# Allegro board BeagleBone_AI-64_Rev_B1_PCB_220602.brd (continued)
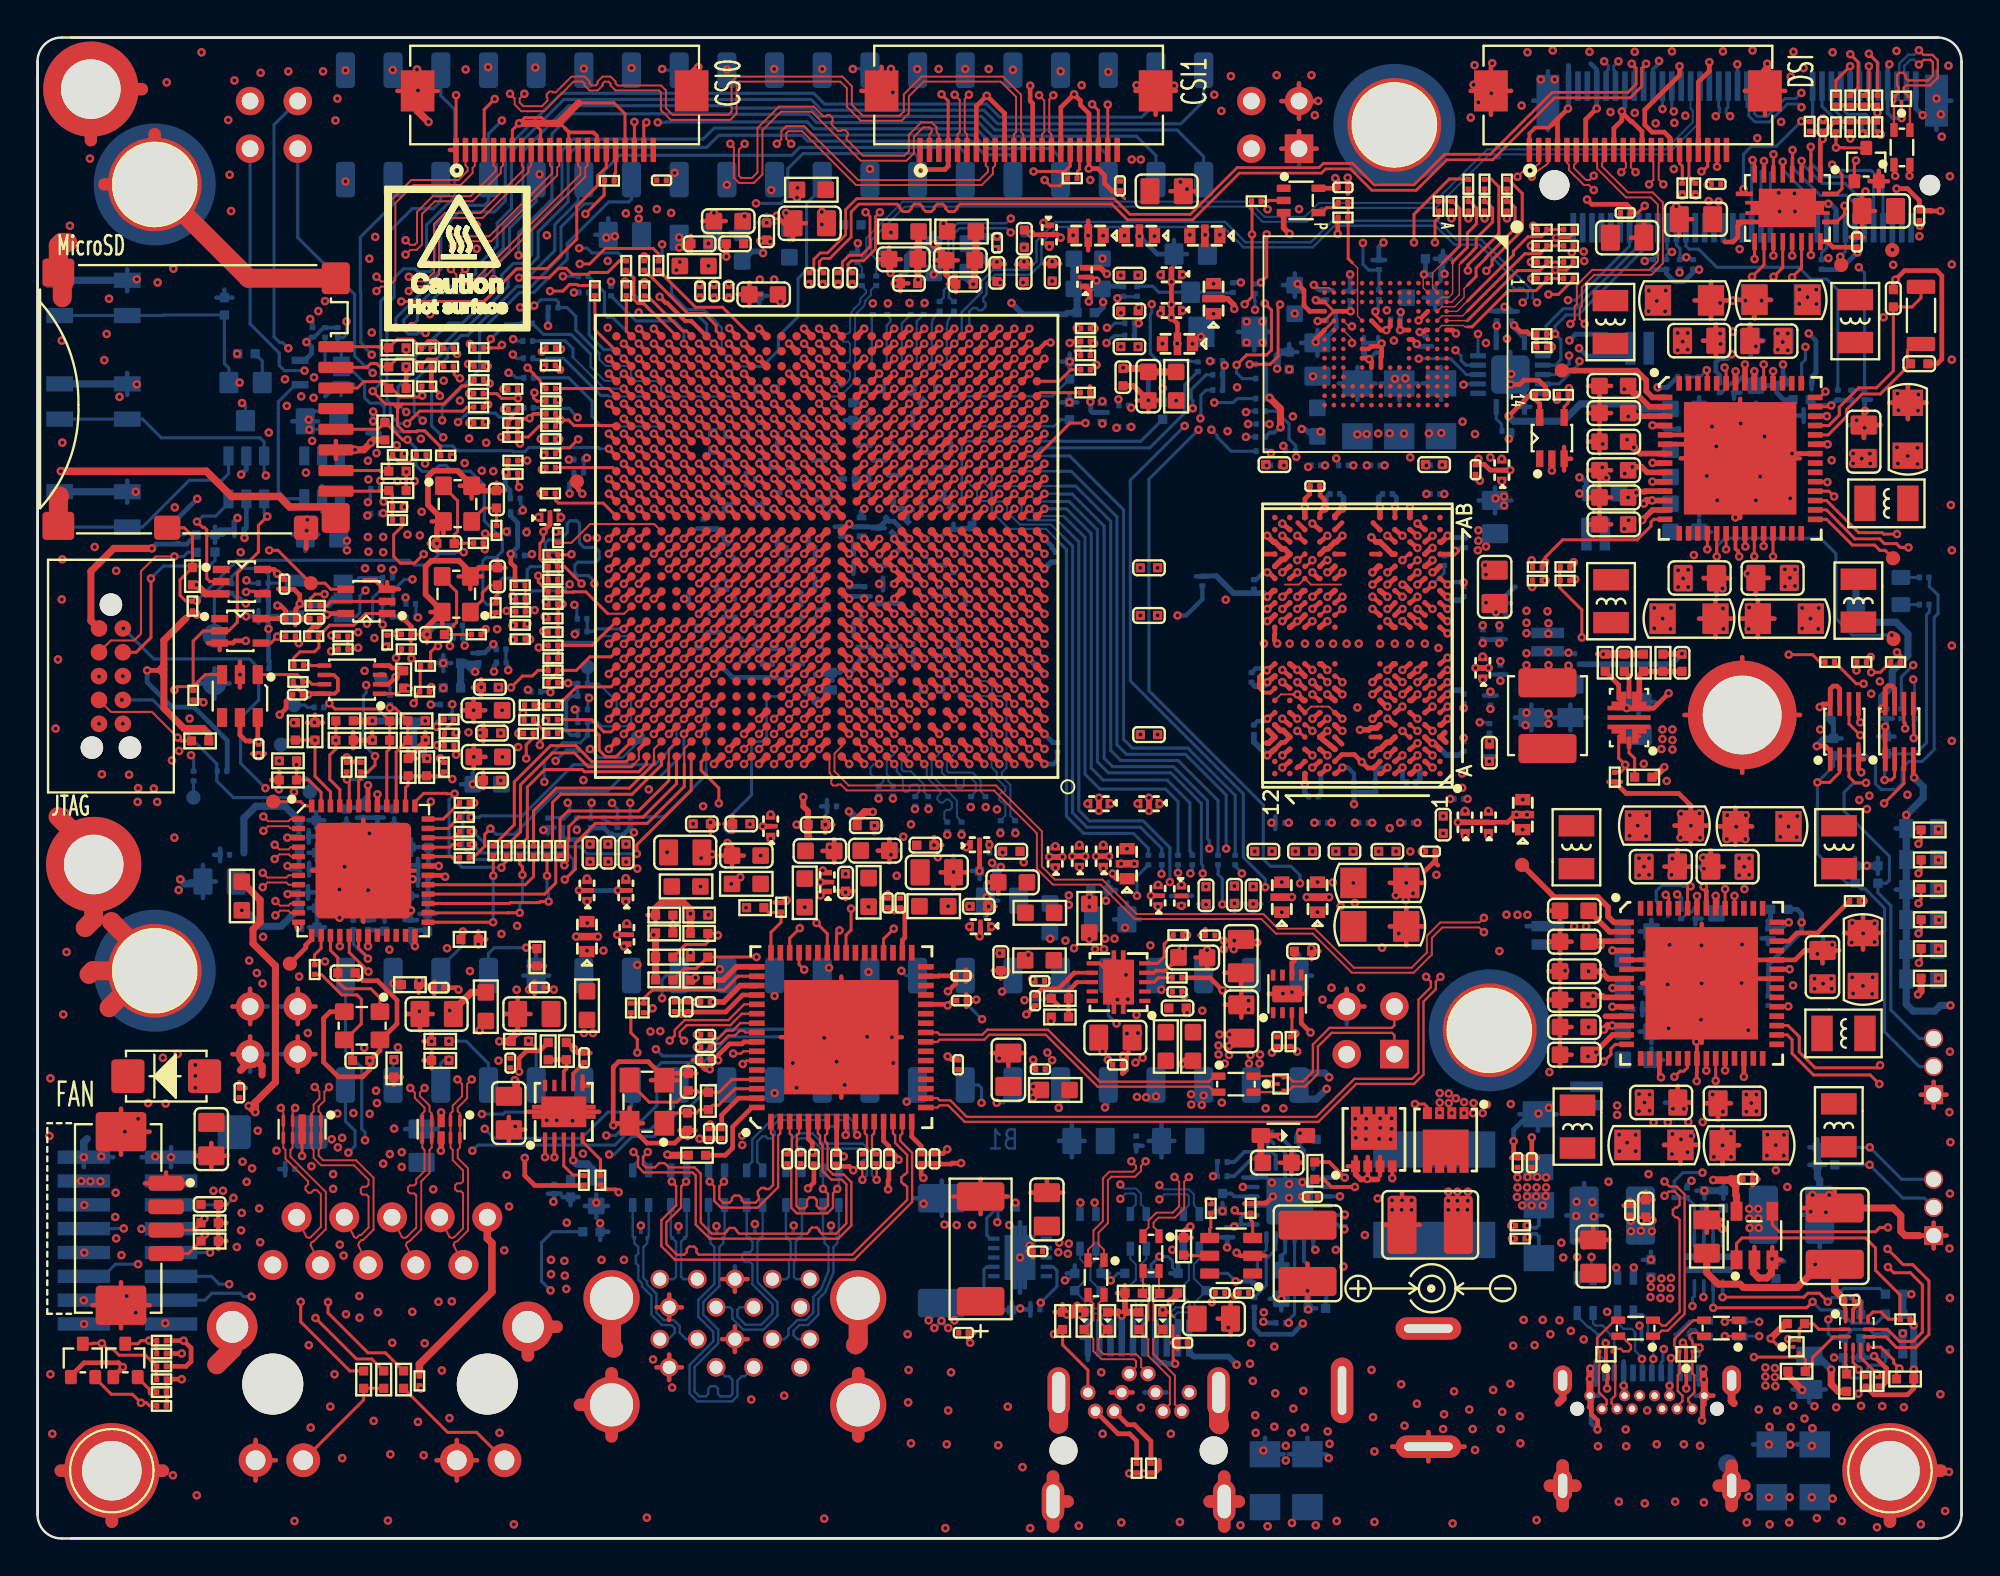
[diagram p0: board, top side]
## Routing (per net, layer and track width the routed paths; a pad name or vN(x,y) marks a point on that pad's centre or on a via; arc(x,y) is an arc through that point) (continued)
Y27_UART5_TXD: length 11.8
  TOP w0.229: U19.Y27 v1(32.03,57.28)
  L5-SIGNAL w0.102: v1(32.03,57.28) 31.62,57.7 31.04,57.7 30.47,57.14 29.99,57.14 29.66,56.81 28.27,56.81 27.73,57.34 26.62,57.34 26.29,57.01 25.88,57.01 25.3,57.59 23.79,57.59 23.61,57.76 22.67,57.76 22.53,57.62 v1(22.12,57.62)
Y28_LED_USR2: length 154.8
  TOP w0.165: R370.1 100.34,34.07 100.12,33.85 v1(100.2,33.85)
  TOP w0.229: U19.Y28 v1(31.23,57.28)
  L3-SIGNAL w0.102: v1(24.28,56.89) 24.61,57.22 25.43,57.22 26.12,56.53 27.15,56.53 27.33,56.71 29.46,56.71 30.04,57.28 v1(31.23,57.28)
  L5-SIGNAL w0.102: v1(100.2,33.85) 99.16,32.81 99.16,28.61 96.31,25.77 96.31,15.14 94.86,13.68 92.02,13.68 90.6,12.26 90.6,10.76 90.22,10.38 88.42,10.38 87.73,11.07 86.51,11.07 86.18,10.74 84.05,10.74 83.89,10.9 82.66,10.9 v1(82.37,10.61)
  L8-PWR/GND w0.127: v1(25.12,17.7) 22.71,20.11 22.71,23.18 20.27,25.62 20.27,26.86 20.88,27.47 20.88,28.87 20.85,28.9 20.85,31.79 19.4,33.24 19.4,43.3 20.48,44.38 20.48,46.13 20.61,46.26 20.61,47.4 21.17,47.96 21.19,47.96 21.66,48.42 21.66,50.16 23.42,51.92 23.42,55.41 23.77,55.77 23.81,55.77 24.28,56.24 24.28,56.47 v1(24.28,56.89)
  L12-SIGNAL w0.102: v1(82.37,10.61) 81.51,9.74 78.12,9.74 75.68,12.18 70.28,12.18 67.39,9.29 65.15,9.29 64.69,9.74 64.48,9.75 64.33,9.9 60.86,9.9 60.85,9.91 56.78,9.91 56.56,9.69 51.89,9.69 50.14,11.45 50.14,11.88 48.97,13.05 46.51,13.05 43.7,15.86 32.44,15.86 31.88,16.41 26.4,16.41 v1(25.12,17.7)
Y29_AJ20: length 42.9
  TOP w0.165: R256.2 27.04,57.08 26.92,56.96 v1(26.87,56.96) ; R284.2 33.08,68.48 32.8,68.76 30.23,68.76 29.41,67.94 v1(28.89,67.94)
  L3-SIGNAL w0.102: v1(20.42,58.61) 20.78,58.26 22.93,58.26 23.72,57.47 25.5,57.47 26.01,56.96 v1(26.87,56.96)
  L10-SIGNAL w0.102: v1(20.42,58.61) 20.11,58.92 20.11,61.7 20.71,62.3 20.71,63.61 21.33,64.23 21.33,66.95 20.72,67.56 v1(20.72,67.95)
  L12-SIGNAL w0.102: v1(20.72,67.95) 21.55,67.12 22.98,67.12 23.88,68.03 25.78,68.03 25.92,68.16 28.5,68.16 28.73,67.94 v1(28.89,67.94)
  BOTTOM w0.165: v1(20.72,67.95) 20.72,70.02 22.22,71.52 22.22,76.17 21.48,76.91 P8.38
Y29_UART5_RXD: length 3.3
  TOP w0.165: U19.Y29 30.64,57.08 R256.1
N23139394: length 5.3
  BOTTOM w0.165: R58.1 63.68,66.39 62.17,66.39 62.14,66.43 D7.3 59.73,66.43 59.41,66.75 58.58,66.75 R74.2
N23154805: length 12.6
  TOP w0.165: 25.99,48.7 26.06,48.76 v1(26.11,48.76)
  TOP w0.229: U19.H23 35.63,47.28 v1(35.23,46.88)
  L3-SIGNAL w0.102: v1(26.11,48.76) 27.4,48.76 28.04,49.39 28.75,49.39 29.03,49.68 34.6,49.68 34.83,49.44 34.83,47.45 35.23,47.05 v1(35.23,46.88)
N23154817: length 10.9
  TOP w0.165: R240.1 26.22,47.93 v1(26.24,47.92)
  TOP w0.229: 34.44,47.68 v1(34.43,47.68) 34.83,48.08 U19.J24
  L3-SIGNAL w0.102: v1(26.24,47.92) 27.15,47.92 28.34,49.11 28.95,49.11 29.28,49.45 33.55,49.45 34.03,48.97 34.03,48.09 v1(34.43,47.68)
N26386249: length 6.5
  TOP w0.165: U12.2 9.19,51 9.01,51.17 9.01,53.76 8.89,53.89 8.8,53.89 v1(8.49,54.19)
  BOTTOM w0.165: v1(8.49,54.19) 8.79,54.5 9.49,54.5 10.17,55.18 U8.6
N28594462: length 4.8
  TOP w0.165: 96.51,33.96 96.53,33.98 R362.2
  TOP w0.254: U29.40 93.3,31.84 93.73,32.27 94.83,32.27 96.51,33.96 96.51,33.98
N31293874: length 6.8
  TOP w0.165: 14.99,48.11 14.99,47.49 14.76,47.26 13.98,47.26 13.64,46.92 13.64,46.55 R172.2 ; 14.99,48.11 15.55,48.68 16.86,48.68 17.48,49.3 U16.1 ; 14.99,48.11 14.97,48.09 R173.2
N31698105: length 11.5
  TOP w0.203: Q2.4 v1(72.17,19.21)
  L5-SIGNAL w0.102: v1(72.17,19.21) 71.75,19.63 62.93,19.63 v1(62.62,19.31)
  BOTTOM w0.165: R61.2 62.83,19.31 ; R60.2 62.83,20.06
  BOTTOM w0.203: v1(62.62,19.31) 62.83,19.31 62.83,20.06
N31698113: length 2
  TOP w0.203: v1(79.4,16.07) 79.31,15.98 79.27,15.98
  BOTTOM w0.203: v1(79.4,16.07) 79.4,16.09 79.54,16.24 79.83,16.24 79.98,16.09 R35.1
N32406105: length 1.3
  TOP w0.165: R314.2 62.5,16.56 62.45,16.5 U22.4
N33582225: length 7
  TOP w0.165: R191.1 21.85,5.66 23.39,5.66 J9.11
N33582357: length 6.2
  TOP w0.165: R186.1 R183.1 17.37,7.39 J9.13
N33671782: length 0
  TOP w0.165: R368.2 101.27,37.77 v1(101.27,37.81)
N33671784:
  vias: v1(101.27,36.17)
N33671786: length 0
  TOP w0.165: v1(101.27,34.64) R370.2
N33671788: length 0
  TOP w0.165: R371.2 v1(101.29,32.98)
N33671790:
  vias: v1(101.27,29.86)
N33672000: length 0
  TOP w0.165: R372.2 101.27,31.43 v1(101.27,31.41)
N34010319: length 3.2
  BOTTOM w0.165: 87.88,18.14 87.19,18.14 R26.1 ; 87.88,18.14 88.27,17.76 U1.9 ; 87.88,18.14 87.86,18.16 R21.2
N34590391: length 1.7
  BOTTOM w0.165: Q1.2 11.97,62.76 R157.2
N34695237: length 1.8
  TOP w0.165: R349.2 87.62,73.15 87.47,73.3 J16.17
N34695277: length 1.9
  TOP w0.165: 88.29,72.26 87.97,72.58 J16.18 ; 88.29,72.26 88.31,72.26 ; 88.29,72.26 88.31,72.24 R351.2
N34695383: length 1.7
  TOP w0.165: R279.2 30.74,72.37 30.74,72.74 30.8,72.79 J13.18
N34701786: length 1.3
  TOP w0.165: U24.4 68.42,70.67 68.68,70.93 69.01,70.93 69.26,71.19 R319.1
N34701949: length 1.2
  TOP w0.165: U24.2 65.59,71.32 65.56,71.28 R316.2
N34747984: length 6.4
  TOP w0.165: R357.1 94.41,75.54 v1(93.96,75.54) ; v1(90.88,71.92) 90.92,71.88 U32.10
  BOTTOM w0.165: v1(90.88,71.92) 90.88,73.78 91.31,74.21 92.63,74.21 v1(93.96,75.54)
N35300913: length 1.1
  TOP w0.165: U14.5 14.57,46.53 14.55,46.55 R172.1
N35690331: length 1.6
  TOP w0.165: J15.18 55.51,72.98 55.4,72.86 55.4,72.5 R300.2
N36080869: length 1.4
  BOTTOM w0.165: U2.8 77.71,59.67 78,59.39 78,59.03 R36.2
N37161279: length 1.5
  TOP w0.165: R306.2 96.38,9.22 96.32,9.28 U21.3
N37161524: length 1.9
  TOP w0.165: U21.5 97.12,9.65 v1(97.99,8.78) 98.03,8.78 98.08,8.73
N37181608: length 15
  TOP w0.165: 99.21,11.69 99.21,13 97.91,14.29 97.91,15.49 97.38,16.02 90.8,16.02 90.51,15.73 U34.1 ; 99.21,11.69 R381.2 ; 99.21,11.69 98.59,11.69 98.2,12.07 97.78,12.07 97.52,11.81 U21.9
N37556084: length 4.3
  TOP w0.165: U29.51 87.9,34.61 v1(88.06,34.76)
  BOTTOM w0.165: R395.2 86.33,33.52 86.33,33.88 86.23,33.98 86.23,34.51 86.54,34.81 87.58,34.81 87.63,34.76 v1(88.06,34.76)
N37556587: length 7.7
  TOP w0.165: v1(89.88,62.41) 89.95,62.33 U30.51
  L3-SIGNAL w0.102: v1(94.18,63.52) 93.62,62.96 90.68,62.96 90.4,62.68 90.14,62.68 v1(89.88,62.41)
  BOTTOM w0.165: R396.2 93.98,61.59 93.98,62.63 94.18,62.83 v1(94.18,63.52)
N37616619: length 1.2
  BOTTOM w0.165: R45.2 68.66,13.38
  BOTTOM w0.203: 68.66,13.38 68.66,12.78 68.62,12.73 C88.1
N37681507: length 1
  BOTTOM w0.165: R397.1 D50.2
N37681630: length 1
  BOTTOM w0.165: R398.1 D51.2

## Copper pours and planes (outline as drawn; the poured copper is in the pictures)
2V5/3V3 on TOP: 58.75,29.25 60.48,29.25 60.55,29.18 60.55,28.03 60.7,27.88 61.87,27.88 62.08,27.68 62.08,26.89 61.82,26.64 59.97,26.64 58.72,27.88 58.72,28.69 58.77,28.74 59.31,28.74 59.33,28.77 59.33,29.02 59.31,29.05 58.75,29.05 58.7,29.1 58.7,29.2
GND on L3-SIGNAL (solid shape): 3.27,53.52 3.27,52.42 2.55,51.69 2.49,51.72 2.49,52.82 3.21,53.55
GND on L3-SIGNAL (solid shape): 13.43,70.4 13.37,70.36 13.35,70.34 5.7,62.69 5.63,62.59 5.61,62.47 5.61,61.66 4.31,60.36 4.28,60.33 4.19,60.36 4.19,61.33 13.33,70.48 13.43,70.48
GND on L3-SIGNAL (solid shape): 70.64,71.74 70.61,71.68 67.99,71.68 67.67,72.01 67.65,72.02 67.68,72.11 68.85,72.11 68.88,72.17 68.99,72.21 69,72.21 69.07,72.18 69.14,72.18 69.37,72.27 69.47,72.5 69.47,72.55 69.83,72.55
GND on L3-SIGNAL (solid shape): 81.93,55.44 82.01,55.39 82.11,55.36 82.15,55.36 82.15,53.8 82.18,53.66 82.26,53.55 83.46,52.35 83.46,46.39 83.35,46.28 83.29,46.34 83.31,46.41 83.31,46.45 83.31,52.09 83.28,52.22 83.21,52.34 81.76,53.78 81.76,55.4 81.9,55.46
GND on L3-SIGNAL (solid shape): 4.28,52.96 4.31,52.93 5.25,51.99 5.25,51.88 4.66,51.29 4.59,51.19 4.57,51.07 4.57,50.51 4.59,50.39 4.66,50.29 4.93,50.02 4.8,49.89 4.66,49.93 4.65,49.96 4.38,50.38 3.91,50.54 3.69,50.5 3.48,50.41 3.46,50.39 3.33,50.46 3.33,51.17 4.1,51.95 4.17,52.05 4.19,52.16 4.19,52.93
GND on L3-SIGNAL (solid shape): 5.4,58.25 5.43,58.22 5.7,57.95 5.43,57.68 5.36,57.58 5.34,57.46 5.34,57 5.36,56.88 5.43,56.78 5.7,56.51 5.43,56.24 5.36,56.14 5.34,56.02 5.34,55.4 5.36,55.28 5.43,55.18 5.7,54.91 5.43,54.64 5.36,54.54 5.34,54.42 5.34,53.8 5.36,53.68 5.43,53.58 5.87,53.14 5.87,53.02 5.83,52.97 5.79,52.9 5.66,52.88 5.13,53.4 5.13,57.93 5.19,57.99 5.26,58.09 5.28,58.21 5.28,58.31 5.36,58.31
GND on L3-SIGNAL (solid shape): 10.99,49.53 11.04,49.51 11.1,49.51 11.18,49.52 11.27,49.44 11.27,47.36 11.3,47.25 11.36,47.15 11.98,46.53 12.08,46.46 12.2,46.44 12.59,46.44 12.59,46.05 12.61,45.93 12.68,45.83 13.34,45.17 13.44,45.1 13.56,45.08 13.99,45.08 14.07,45 14.07,44.97 14.09,44.86 14.15,44.76 14.17,44.74 14.1,44.6 13.71,44.6 10.69,47.61 11.07,47.98 11.14,48.08 11.16,48.2 11.16,48.6 11.14,48.71 11.07,48.81 10.76,49.13 10.72,49.16 10.71,49.28 10.88,49.45 10.91,49.48 10.93,49.51
GND on L3-SIGNAL (solid shape): 61.48,65.98 61.48,65.63 61.44,65.59 61.31,65.61 61.3,65.63 61.17,65.74 61.01,65.78 60.78,65.69 60.68,65.45 60.74,65.27 60.89,65.15 60.9,65.14 60.94,65.1 60.89,65.04 60.19,65.04 60.12,65.15 60.12,65.18 60.14,65.24 60.15,65.29 60.05,65.53 59.81,65.63 59.77,65.62 59.68,65.72 59.69,65.83 59.68,65.89 59.76,65.99 61.14,65.99 61.24,66 61.32,66.04 61.35,66.05
GND on L3-SIGNAL (solid shape): 52.46,52.45 52.49,52.32 52.57,52.22 52.65,52.14 52.64,52.01 52.62,52 52.57,51.96 52.53,51.91 52.51,51.89 52.39,51.88 52.31,51.95 52.19,52.04 52.04,52.07 51.78,51.97 51.66,51.73 51.65,51.71 51.55,51.64 51.45,51.66 51.4,51.66 51.22,51.66 50.93,51.95 50.81,52.03 50.67,52.07 50.62,52.1 50.65,52.16 50.68,52.18 50.71,52.21 50.79,52.29 50.91,52.28 50.93,52.26 51.06,52.14 51.24,52.1 51.47,52.1 51.62,52.13 51.75,52.21 52.03,52.5 52.46,52.5
GND on L3-SIGNAL (solid shape): 34.93,50.97 34.92,50.89 35.02,50.66 35.25,50.56 35.29,50.57 35.36,50.58 35.41,50.54 35.41,50.48 35.31,50.4 35.23,50.41 35,50.32 34.9,50.08 34.9,50.06 34.78,49.98 34.76,49.99 34.68,50.02 34.6,50.03 33.16,50.03 33.16,50.08 32.83,50.41 32.5,50.08 32.5,50.03 32.39,50.03 32.39,50.08 32.36,50.22 32.29,50.33 31.87,50.75 31.76,50.82 31.62,50.85 31.57,50.85 31.56,50.93 31.55,50.99 31.63,51.1 34.8,51.1
GND on L3-SIGNAL (solid shape): 55.98,61.6 56.09,61.56 56.2,61.55 57.17,61.55 57.23,61.39 57.18,61.34 56.92,61.09 56.88,61.04 56.85,60.98 56.79,60.95 56.76,60.95 56.72,60.95 56.49,60.86 56.39,60.62 56.39,60.58 56.41,60.52 56.33,60.42 54.05,60.42 53.97,60.49 53.97,60.51 53.86,60.73 53.64,60.82 53.41,60.72 53.31,60.49 53.31,60.42 53.17,60.42 53.17,60.49 53.09,60.7 52.9,60.81 52.87,60.82 52.82,60.96 52.89,61.03 53.43,61.03 53.58,60.94 53.74,60.91 53.93,60.95 54.09,61.06 54.64,61.6
GND on L3-SIGNAL (solid shape): 57.41,72.5 57.53,72.42 57.67,72.4 61.6,72.4 62.79,71.21 62.91,71.13 63.05,71.1 65.15,71.1 65.23,70.99 65.22,70.96 65.2,70.9 65.2,70.84 65.2,70.82 65.12,70.74 61.34,70.74 60.15,71.93 60.03,72.01 59.89,72.04 56.39,72.04 56.32,72.18 56.34,72.2 56.39,72.3 56.41,72.41 56.08,72.74 55.75,72.41 55.77,72.3 55.82,72.2 55.84,72.18 55.77,72.04 53.96,72.04 53.89,72.18 53.91,72.2 53.96,72.3 53.98,72.41 53.88,72.64 53.65,72.74 53.59,72.73 53.53,72.71 53.5,72.7 53.38,72.79 53.38,72.94 53.46,73.03 56.88,73.03
GND on L3-SIGNAL (solid shape): 31.29,78.38 31.64,78.02 32,78.38 32,78.5 32.87,78.5 32.95,78.41 32.94,78.32 33.27,77.99 33.6,78.32 33.59,78.41 33.67,78.5 36.33,78.5 36.41,78.4 36.4,78.34 36.4,78.3 36.73,77.97 37.06,78.3 37.05,78.34 37.04,78.4 37.12,78.5 38.2,78.5 38.23,78.44 36.97,77.18 28.7,77.18 28.65,77.18 28.59,77.33 29.35,78.1 29.43,78.21 29.46,78.35 29.45,78.41 29.53,78.5 31.29,78.5
GND on L3-SIGNAL (solid shape): 68.49,49.25 68.55,49.26 68.63,49.22 68.71,49.21 68.8,49.22 69.03,48.99 69.09,48.95 69.15,48.94 69.36,48.94 69.61,48.68 69.61,48 69.59,47.99 69.46,47.87 69.41,47.69 69.45,47.53 69.57,47.41 69.57,46.73 68.8,45.96 68.71,45.97 68.62,45.96 68.54,45.92 68.48,45.93 68.46,45.98 68.47,46.01 68.47,46.04 68.47,46.5 68.73,46.76 68.77,46.81 68.78,46.88 68.78,47.39 68.77,47.45 68.73,47.51 68.63,47.61 68.63,47.78 68.89,48.04 68.93,48.1 68.94,48.16 68.94,48.4 68.93,48.46 68.89,48.52 68.78,48.63 68.72,48.66 68.66,48.68 68.6,48.68 68.49,48.78 68.49,49.13 68.49,49.16 68.48,49.19
GND on L3-SIGNAL (solid shape): 8.15,49.22 8.15,49.19 8.27,48.99 8.48,48.91 8.52,48.91 8.61,48.83 8.61,48.52 8.63,48.4 8.7,48.31 9.12,47.88 9.22,47.82 9.34,47.79 9.72,47.79 9.72,47.41 9.75,47.29 9.81,47.19 13.24,43.77 13.26,43.74 13.31,43.71 13.34,43.62 13.33,43.6 13.31,43.54 13.31,43.48 13.31,43.45 13.28,43.4 13.22,43.41 13.2,43.44 10.4,46.23 10.3,46.3 10.18,46.32 9.8,46.32 9.8,46.71 9.78,46.82 9.71,46.92 9.15,47.48 9.05,47.54 8.94,47.57 8.5,47.57 8.5,47.9 8.48,48.02 8.41,48.12 8.17,48.36 8.17,48.49 8.14,48.61 8.08,48.71 7.91,48.87 7.81,48.94 7.69,48.96 7.57,48.96 7.54,48.99 7.54,49.13 7.74,49.13 7.86,49.16 7.96,49.22 8,49.27
GND on L3-SIGNAL (solid shape): 25.1,64.75 25.11,64.74 25.08,64.66 21.24,64.66 21.1,64.63 20.99,64.55 20.92,64.48 20.88,64.51 20.78,64.56 20.67,64.58 20.44,64.49 20.34,64.25 20.36,64.14 20.42,64.04 20.45,64.01 19.64,63.2 19.48,63.2 19.35,63.17 19.23,63.1 19.2,63.06 18.14,63.06 18.13,63.11 18.1,63.24 18.03,63.34 18,63.36 18.06,63.52 18.92,63.52 19.06,63.54 19.17,63.62 19.71,64.15 19.75,64.21 19.79,64.27 19.85,64.3 19.89,64.29 19.94,64.29 20.17,64.39 20.27,64.62 20.26,64.67 20.25,64.71 20.28,64.74 20.57,65.02 20.68,65.03 20.69,65.01 20.8,64.95 20.91,64.93 21.15,65.02 21.25,65.26 21.24,65.3 21.23,65.37 21.31,65.47 24.38,65.47
GND on L3-SIGNAL (solid shape): 14.01,65.69 14.11,65.62 14.23,65.6 14.56,65.6 14.64,65.5 14.63,65.42 14.72,65.19 14.96,65.09 15,65.09 15.06,64.94 14.95,64.83 13.42,64.83 13.3,64.8 13.2,64.74 11.16,62.69 11.09,62.59 11.07,62.48 11.07,61.97 10.95,61.89 10.92,61.9 10.85,61.93 10.77,61.94 10.71,61.94 10.66,61.93 10.63,61.92 10.52,62.01 10.53,62.09 10.53,62.73 10.61,62.81 10.63,62.81 10.87,62.91 10.96,63.14 10.96,63.18 10.95,63.25 11.05,63.35 11.13,63.34 11.53,63.34 11.65,63.36 11.74,63.43 12.07,63.75 12.14,63.85 12.16,63.97 12.16,64.35 12.55,64.35 12.66,64.38 12.76,64.44 13.09,64.77 13.15,64.87 13.18,64.99 13.18,65.38 13.17,65.43 13.15,65.5 13.23,65.61 13.32,65.61 13.44,65.64 13.54,65.7 13.71,65.87 13.83,65.88
GND on L3-SIGNAL (solid shape): 73.73,49.25 73.75,49.21 73.75,49.19 73.75,48.99 73.76,48.92 73.8,48.87 74.26,48.41 74.26,48.28 73.99,48.02 73.91,48.03 73.58,47.69 73.91,47.36 73.99,47.37 74.04,47.33 74.04,46.65 73.79,46.4 73.75,46.35 73.74,46.29 73.74,46.05 73.74,46.02 73.75,45.99 73.74,45.93 73.68,45.93 73.6,45.96 73.51,45.97 73.43,45.96 73.29,46.1 73.29,46.47 73.27,46.54 73.24,46.59 72.98,46.85 72.98,47.32 73.03,47.37 73.12,47.36 73.45,47.69 73.12,48.03 73.03,48.02 72.99,48.06 72.93,48.1 72.87,48.11 72.85,48.11 72.79,48.16 72.79,48.25 73.27,48.72 73.31,48.78 73.32,48.84 73.32,49.12 73.43,49.22 73.51,49.21 73.6,49.22 73.68,49.26
GND on L3-SIGNAL (solid shape): 50.77,50.91 50.79,50.96 50.85,50.96 50.88,50.94 50.91,50.92 50.91,50.88 51.01,50.65 51.24,50.55 51.29,50.55 51.32,50.5 51.36,50.44 51.6,50.21 51.65,50.16 51.71,50.13 51.71,50.08 51.81,49.85 52.04,49.75 52.08,49.75 52.11,49.69 52.16,49.63 52.38,49.41 52.44,49.36 52.51,49.32 52.51,49.29 52.51,49.24 51.57,49.24 51.57,49.29 51.47,49.52 51.24,49.61 51.01,49.52 50.91,49.28 50.91,49.24 50.92,49.19 50.88,49.17 50.84,49.13 50.78,49.13 50.76,49.18 50.77,49.23 50.77,49.28 50.68,49.51 50.44,49.61 50.4,49.66 50.4,49.7 50.77,50.08 50.4,50.46 50.4,50.5 50.44,50.55 50.68,50.65 50.77,50.88
GND on L3-SIGNAL (solid shape): 87.75,53.66 86.47,52.38 86.4,52.26 86.37,52.12 86.37,50.41 86.4,50.28 86.47,50.16 86.76,49.87 86.76,49.81 86.71,49.71 86.69,49.6 86.69,49.54 86.7,49.49 86.71,49.47 86.63,49.36 86.52,49.36 86.43,49.47 86.44,49.49 86.46,49.55 86.46,49.6 85.9,49.83 86.13,49.27 86.18,49.27 86.26,49.16 86.26,49.13 86.24,49.08 86.24,49.03 86.24,48.99 86.25,48.93 86.17,48.83 86.13,48.84 85.9,48.27 86.46,48.51 86.46,48.54 86.45,48.6 86.53,48.7 86.6,48.7 86.68,48.6 86.67,48.53 86.66,48.48 86.68,48.37 86.74,48.27 86.73,48.2 85.88,47.35 85.8,47.23 85.77,47.09 85.77,45.25 83.6,43.08 83.54,43.11 83.54,43.46 85.54,45.46 85.62,45.58 85.65,45.71 85.65,51.79 87.58,53.71 87.62,53.77 87.66,53.84 87.67,53.87 87.75,53.87
GND on L3-SIGNAL (solid shape): 66.82,63.7 66.82,62.72 66.74,62.64 66.68,62.65 66.35,62.31 66.68,61.98 66.74,61.99 66.82,61.91 66.82,61.81 66.85,61.68 66.93,61.56 68.99,59.51 69.1,59.43 69.24,59.4 69.53,59.4 69.56,59.34 69.19,58.97 68.68,58.97 68.68,59.02 68.35,59.33 68.02,59.02 68.02,58.97 67.75,58.97 67.67,59.06 67.68,59.14 67.58,59.37 67.35,59.47 67.24,59.45 67.14,59.39 67.1,59.36 67.01,59.46 67.06,59.5 67.18,59.63 67.23,59.81 67.21,59.94 67.13,60.06 66.62,60.57 66.5,60.65 66.37,60.67 66.21,60.67 66.13,60.76 66.13,60.8 66.13,61.46 66.09,61.65 65.98,61.81 65.55,62.24 65.39,62.35 65.2,62.39 64.97,62.39 64.89,62.49 64.9,62.55 64.9,62.58 64.8,62.82 64.57,62.91 64.41,62.88 64.3,62.77 64.28,62.75 64.15,62.74 64.13,62.76 64.02,62.85 63.88,62.88 63.78,62.87 63.7,62.83 63.63,62.84 63.46,62.97 63.24,63.02 63.06,62.99 62.91,62.89 62.89,62.87 62.76,62.89 62.73,62.94 62.68,63.01 63.54,63.87 66.65,63.87
GND on L3-SIGNAL (solid shape): outline of 101 points within 6.25,53.2 8.97,59.64
GND on L3-SIGNAL (solid shape): outline of 89 points within 69.72,63.05 74.47,65.48
GND on L3-SIGNAL (solid shape): outline of 87 points within 33.76,56.41 36.63,59.69
GND on L3-SIGNAL (solid shape): outline of 97 points within 74.59,63.83 82.41,67.17
GND on L3-SIGNAL (solid shape): outline of 308 points within 33.74,68.89 64.13,75.25
GND on L3-SIGNAL (solid shape): outline of 371 points within 76.45,44.62 78.52,58.64
GND on L3-SIGNAL (solid shape): outline of 453 points within 94.75,53.27 99.15,70.75
GND on L3-SIGNAL (solid shape): outline of 477 points within 83.17,45.85 86.66,60.42
GND on L3-SIGNAL (solid shape): outline of 539 points within 48,49.19 50.69,58.18
GND on L3-SIGNAL (solid shape): outline of 561 points within 73.41,37.43 80.86,51.94
GND on L3-SIGNAL (solid shape): outline of 855 points within 37.13,46.03 46.32,51.76
GND on L3-SIGNAL (solid shape): outline of 951 points within 3.25,61.78 28.69,78.5
GND on L3-SIGNAL (solid shape): outline of 1364 points within 11.99,45.71 26.49,61.03
GND on L3-SIGNAL (solid shape): outline of 1445 points within 26.8,64.46 68.8,78.5
GND on L3-SIGNAL (solid shape): outline of 1914 points within 75.4,45.11 97.09,73.46
GND on L3-SIGNAL (solid shape): outline of 2175 points within 39.38,58.01 61.08,74.07
GND on L3-SIGNAL (solid shape): outline of 3030 points within 59.98,37.81 77.46,57.67
GND on L3-SIGNAL (solid shape): outline of 3478 points within 74.32,4.31 102.21,79.59
GND on L5-SIGNAL (solid shape): 95.48,72.91 95.48,68.82 95.28,68.62 95.22,68.68 95.23,68.71 95.24,68.77 95.25,68.83 95.25,72.9 95.38,72.97
GND on L5-SIGNAL (solid shape): 56.39,60.66 56.39,60.62 56.42,60.48 56.51,60.37 56.54,60.35 56.48,60.19 56.21,60.19 56.07,60.16 55.96,60.09 55.58,59.7 55.54,59.67 55.52,59.63 55.45,59.61 55.38,59.63 55.31,59.64 53.97,59.64 53.97,59.73 54.05,59.76 54.12,59.82 55.05,60.75 56.31,60.75
GND on L5-SIGNAL (solid shape): 76.99,64.59 76.99,64.56 76.91,64.51 76.83,64.55 76.74,64.56 76.48,64.56 76.15,64.89 76.03,64.96 75.9,64.99 74.97,64.99 74.83,64.96 74.71,64.89 74.11,64.28 73.96,64.33 73.96,64.36 73.85,64.55 73.65,64.63 73.63,64.64 73.56,64.72 73.56,64.92 73.68,65.04 73.86,65.22 76.36,65.22
GND on L5-SIGNAL (solid shape): 84.81,76.21 84.79,76.19 84.75,76.09 84.73,75.99 84.76,75.85 84.84,75.74 85.21,75.36 85.21,73.24 85.14,73.16 85.12,73.16 84.96,73.11 84.84,72.98 84.83,72.96 84.67,72.96 84.66,72.98 84.54,73.11 84.37,73.16 84.32,73.16 84.25,73.14 84.15,73.22 84.15,76.03 84.14,76.12 84.11,76.2 84.1,76.22 84.17,76.34 84.74,76.34
GND on L5-SIGNAL (solid shape): 80.16,66.31 80.16,66.25 80.04,66.17 80.02,66.18 79.95,66.2 79.88,66.21 79.71,66.16 79.59,66.04 79.58,66.01 79.42,66.01 79.41,66.04 79.29,66.16 79.12,66.21 78.89,66.11 78.79,65.88 78.79,65.81 78.81,65.75 78.82,65.73 78.75,65.61 77.76,65.61 77.04,66.32 77.07,66.39 80.08,66.39
GND on L5-SIGNAL (solid shape): 72.31,65.24 72.32,65.22 72.43,65.1 72.57,65.04 72.62,65.04 72.62,64.79 72.57,64.74 72.35,64.64 72.26,64.41 72.26,64.37 72.27,64.3 72.21,64.2 72.19,64.2 72.09,64.16 72.01,64.1 71.72,63.81 71.67,63.75 71.63,63.68 71.62,63.64 71.46,63.64 71.44,63.71 71.52,63.79 71.6,63.91 71.63,64.04 71.63,64.71 72.13,65.21 72.17,65.26
GND on L5-SIGNAL (solid shape): 78.35,57.31 78.46,57.19 78.46,54.04 78.4,54.02 77.65,54.77 77.65,56.04 77.78,56.11 77.81,56.09 77.9,56.04 78.01,56.02 78.34,56.35 78.01,56.68 77.9,56.67 77.81,56.62 77.78,56.6 77.65,56.67 77.65,56.89 77.72,57.01 77.75,57.14 77.75,57.22 77.83,57.27 77.91,57.23 78.01,57.21 78.12,57.23 78.22,57.3 78.24,57.31
GND on L5-SIGNAL (solid shape): 65.98,54.14 65.98,54.1 66.02,53.95 66.11,53.83 66.11,53.71 66.02,53.59 65.98,53.45 66.05,53.25 66.21,53.13 66.24,53.12 66.24,53.03 66.06,53.03 65.92,53 65.79,52.92 65.57,52.7 65.43,52.74 65.42,52.77 65.39,52.87 65.32,52.95 65.18,53.1 65.32,53.24 65.41,53.37 65.44,53.52 65.44,53.65 65.53,53.78 65.56,53.94 65.56,54.19 65.59,54.22 65.9,54.22
GND on L5-SIGNAL (solid shape): 52.13,50.82 52.07,50.78 52.05,50.76 51.77,50.48 51.69,50.36 51.66,50.21 51.66,50.08 51.77,49.81 52.04,49.7 52.23,49.75 52.37,49.89 52.51,49.89 52.54,49.85 52.57,49.81 52.65,49.73 52.64,49.61 52.57,49.55 52.17,49.15 52.14,49.13 52.11,49.08 51.97,49.08 51.93,49.13 51.91,49.15 51.51,49.55 51.4,49.63 51.27,49.66 51.22,49.72 51.22,50.5 51.44,50.5 51.59,50.53 51.72,50.61 52.01,50.9 52.13,50.9
GND on L5-SIGNAL (solid shape): 54.19,78.38 54.18,78.36 54.16,78.28 54.15,78.2 54.15,77.31 54.1,77.26 53.94,77.21 53.82,77.08 53.81,77.06 53.66,77.06 53.65,77.08 53.52,77.21 53.35,77.26 53.02,76.93 53.35,76.6 53.52,76.64 53.65,76.77 53.66,76.8 53.81,76.8 53.82,76.77 53.94,76.65 54.1,76.6 54.15,76.55 54.15,76.1 52.87,74.82 51.44,74.82 51.42,74.88 52.21,75.68 52.29,75.8 52.32,75.93 52.32,78.28 52.32,78.33 52.3,78.4 52.38,78.5 54.12,78.5
GND on L5-SIGNAL (solid shape): 65.98,50.16 66.01,50.07 66.05,49.99 66.07,49.97 66.06,49.86 66.04,49.85 66,49.8 65.96,49.74 65.94,49.72 65.8,49.71 65.78,49.73 65.67,49.84 65.51,49.88 65.18,49.54 65.51,49.21 65.67,49.25 65.78,49.36 65.8,49.38 65.94,49.37 65.96,49.35 65.99,49.3 66.03,49.26 66.03,49.18 65.94,49.05 65.91,48.9 65.91,48.88 65.83,48.8 65.57,48.8 64.64,49.72 64.51,49.81 64.37,49.84 63.7,49.84 63.62,49.94 63.63,50 63.62,50.11 63.7,50.21 65.98,50.21
GND on L5-SIGNAL (solid shape): 95.82,75.57 95.82,74.47 95.77,74.46 95.48,74.13 95.77,73.81 95.82,73.8 95.82,73.61 95.72,73.53 95.65,73.55 95.6,73.55 95.5,73.53 95.41,73.49 95.38,73.47 95.25,73.54 95.25,74.3 95.38,74.42 95.43,74.59 95.33,74.82 95.1,74.92 94.98,74.9 94.89,74.85 94.82,74.85 94.26,75.4 94.28,75.43 94.29,75.49 94.29,75.54 94.26,75.68 94.18,75.79 94.16,75.81 94.17,75.94 94.19,75.95 94.32,76.1 94.37,76.29 94.33,76.46 94.22,76.61 94.22,76.73 94.28,76.79 94.33,76.87 94.34,76.89 94.48,76.92
GND on L5-SIGNAL (solid shape): 55.27,77.38 55.27,76.22 55.3,76.08 55.37,75.97 55.73,75.61 55.84,75.53 55.98,75.51 58.8,75.51 60.07,74.24 60.07,73.52 60.01,73.49 59.18,74.31 56.84,74.31 56.18,73.66 56.18,72.84 56.1,72.76 56.08,72.76 55.94,72.74 55.83,72.66 55.55,72.38 53.98,72.38 53.98,72.43 53.88,72.65 53.65,72.74 53.59,72.73 53.53,72.71 53.5,72.7 53.38,72.79 53.39,72.86 52.82,73.1 53.06,72.53 53.12,72.54 53.18,72.56 53.21,72.57 53.33,72.48 53.32,72.38 47.34,72.38 47.11,72.61 47,72.68 46.86,72.71 44.71,72.71 44.63,72.83 44.64,72.86 44.67,72.92 44.67,72.99 44.62,73.17 44.48,73.29 44.46,73.31 44.43,73.44 44.87,73.88 53.11,73.88 53.25,73.91 53.36,73.98 54.98,75.61 55.06,75.72 55.09,75.86 55.09,77.28 55.21,77.4
GND on L5-SIGNAL (solid shape): outline of 126 points within 44.8,75.05 51.63,78.5
GND on L5-SIGNAL (solid shape): 36.84,67.04 36.84,66.99 36.86,66.93 36.86,66.45 36.5,66.07 36.86,65.69 36.86,64.84 36.81,64.84 36.65,64.76 36.54,64.62 36.53,64.59 36.39,64.56 35.34,65.61 35.36,65.75 35.39,65.76 35.49,65.82 35.56,65.91 35.58,65.94 35.73,65.94 35.74,65.91 35.86,65.79 36.03,65.74 36.37,66.07 36.03,66.4 35.86,66.35 35.74,66.23 35.73,66.2 35.58,66.2 35.56,66.23 35.45,66.35 35.3,66.4 35.25,66.45 35.25,67.03 35.3,67.08 35.38,67.2 35.41,67.33 35.41,67.5 35.54,67.57 35.56,67.55 35.65,67.51 35.74,67.5 36.07,67.83 35.74,68.16 35.65,68.15 35.56,68.11 35.54,68.09 35.41,68.16 35.41,68.69 35.54,68.76 35.56,68.75 35.64,68.71 35.73,68.7 35.97,68.79 36.06,69.03 36.06,69.05 36.15,69.13 36.84,69.13
GND on L5-SIGNAL (solid shape): 93.28,66.92 93.37,66.88 93.47,66.87 93.51,66.87 93.58,66.75 93.57,66.72 93.54,66.65 93.53,66.57 93.63,66.33 93.86,66.24 93.9,66.24 93.96,66.19 93.96,66.18 93.9,66.13 93.85,66.13 93.62,66.04 93.52,65.8 93.54,65.7 93.59,65.6 93.61,65.57 93.54,65.43 92.07,65.43 91.88,65.4 91.72,65.29 90.79,64.35 90.65,64.39 90.64,64.42 90.52,64.59 90.32,64.66 90.09,64.56 89.99,64.33 90.06,64.13 90.23,64.01 90.26,64 90.3,63.86 89.91,63.47 89.8,63.31 89.76,63.12 89.78,62.99 89.83,62.87 89.84,62.85 89.8,62.73 89.77,62.73 89.61,62.61 89.55,62.41 89.58,62.27 89.66,62.16 89.69,62.14 89.63,61.98 89.28,61.98 89.21,62.1 89.22,62.13 89.25,62.2 89.25,62.27 88.92,62.6 88.59,62.27 88.6,62.2 88.63,62.13 88.64,62.1 88.56,61.98 87.13,61.98 86.8,62.31 86.82,62.37 88.01,62.37 88.15,62.4 88.26,62.48 89.23,63.44 89.3,63.56 89.33,63.69 89.33,65.66 89.71,66.03 92.43,66.03 92.56,66.06 92.68,66.14 93.1,66.55 93.18,66.67 93.2,66.81 93.2,66.88
GND on L5-SIGNAL (solid shape): outline of 229 points within 71.53,61.36 81.68,64.28
GND on L5-SIGNAL (solid shape): outline of 261 points within 59.31,64.97 64.12,76.07
GND on L5-SIGNAL (solid shape): outline of 125 points within 31.83,61.04 33.68,68.86
GND on L5-SIGNAL (solid shape): outline of 457 points within 85.32,67 93.72,76.34
GND on L5-SIGNAL (solid shape): outline of 521 points within 45.88,52.4 49.72,59.56
GND on L5-SIGNAL (solid shape): outline of 713 points within 82.48,46.04 99.34,60.83
GND on L5-SIGNAL (solid shape): outline of 795 points within 48.9,41.3 51.3,51.9
GND on L5-SIGNAL (solid shape): outline of 942 points within 49.63,52.38 66.12,58.74
GND on L5-SIGNAL (solid shape): outline of 1120 points within 27.14,43.68 35.93,51.45
GND on L5-SIGNAL (solid shape): outline of 1287 points within 81.58,17.69 95.07,52.92
GND on L5-SIGNAL (solid shape): outline of 1325 points within 43.97,58.75 60.07,71.67
GND on L5-SIGNAL (solid shape): outline of 1743 points within 69.47,36.46 78.03,57.65
GND on L5-SIGNAL (solid shape): outline of 3284 points within 32.18,46.54 46.44,71.31
GND on L5-SIGNAL (solid shape): outline of 3751 points within 74.68,4.51 102.21,79.59
GND on L5-SIGNAL (solid shape): outline of 3931 points within 2.49,32.9 39.07,78.5
GND on L12-SIGNAL (solid shape): 46.52,77.19 46.27,76.95 46.2,76.83 46.17,76.7 46.17,76.57 45.05,76.57 45.04,76.61 45,76.71 44.94,76.8 44.63,77.11 44.69,77.26 46.49,77.26
GND on L12-SIGNAL (solid shape): 51.94,75.66 51.97,75.64 51.93,75.55 49.31,75.55 49.27,75.64 49.3,75.66 49.64,76 49.72,76.12 49.75,76.26 49.75,76.58 49.87,76.7 49.95,76.82 49.97,76.95 49.97,77.03 49.94,77.11 49.93,77.14 50,77.26 50.35,77.26
GND on L12-SIGNAL (solid shape): 72.09,64.75 72.15,64.7 72.22,64.67 72.24,64.66 72.29,64.55 72.28,64.53 72.26,64.47 72.26,64.41 72.26,64.37 72.27,64.3 72.21,64.2 72.19,64.2 71.98,64.08 71.9,63.85 71.93,63.71 72.01,63.6 72.59,63.01 72.62,62.98 72.66,62.96 72.63,62.87 72.38,62.87 71.2,64.04 71.2,64.99 71.28,65.07 71.3,65.07 71.44,65.11 71.54,65.21 71.62,65.22
GND on L12-SIGNAL (solid shape): 35.1,77.11 34.79,76.8 34.73,76.71 34.69,76.61 34.69,76.57 27.05,76.57 26.91,76.55 26.8,76.47 25.71,75.38 25.13,75.38 25.05,75.48 25.07,75.54 25.07,75.58 25.07,75.63 25.3,75.63 25.43,75.66 25.55,75.74 25.95,76.14 26.03,76.26 26.06,76.39 26.06,76.63 26.18,76.75 26.26,76.87 26.29,77 26.28,77.06 26.27,77.12 26.26,77.15 26.34,77.26 35.04,77.26
GND on L12-SIGNAL (solid shape): 56.41,68.27 56.4,68.22 56.5,67.99 56.73,67.89 56.94,67.97 57.06,68.16 57.06,68.19 57.21,68.23 57.65,67.79 57.62,67.65 57.59,67.64 57.51,67.6 57.44,67.53 57.42,67.51 57.28,67.52 57.27,67.55 57.15,67.68 56.97,67.73 56.74,67.64 56.64,67.4 56.66,67.3 56.71,67.2 56.73,67.17 56.66,67.04 55.81,67.04 55.68,67.01 55.56,66.93 54.95,66.93 54.9,67.09 54.96,67.14 56.17,68.36 56.33,68.36
